# Allegro board mini_trx_layout.brd (continued)
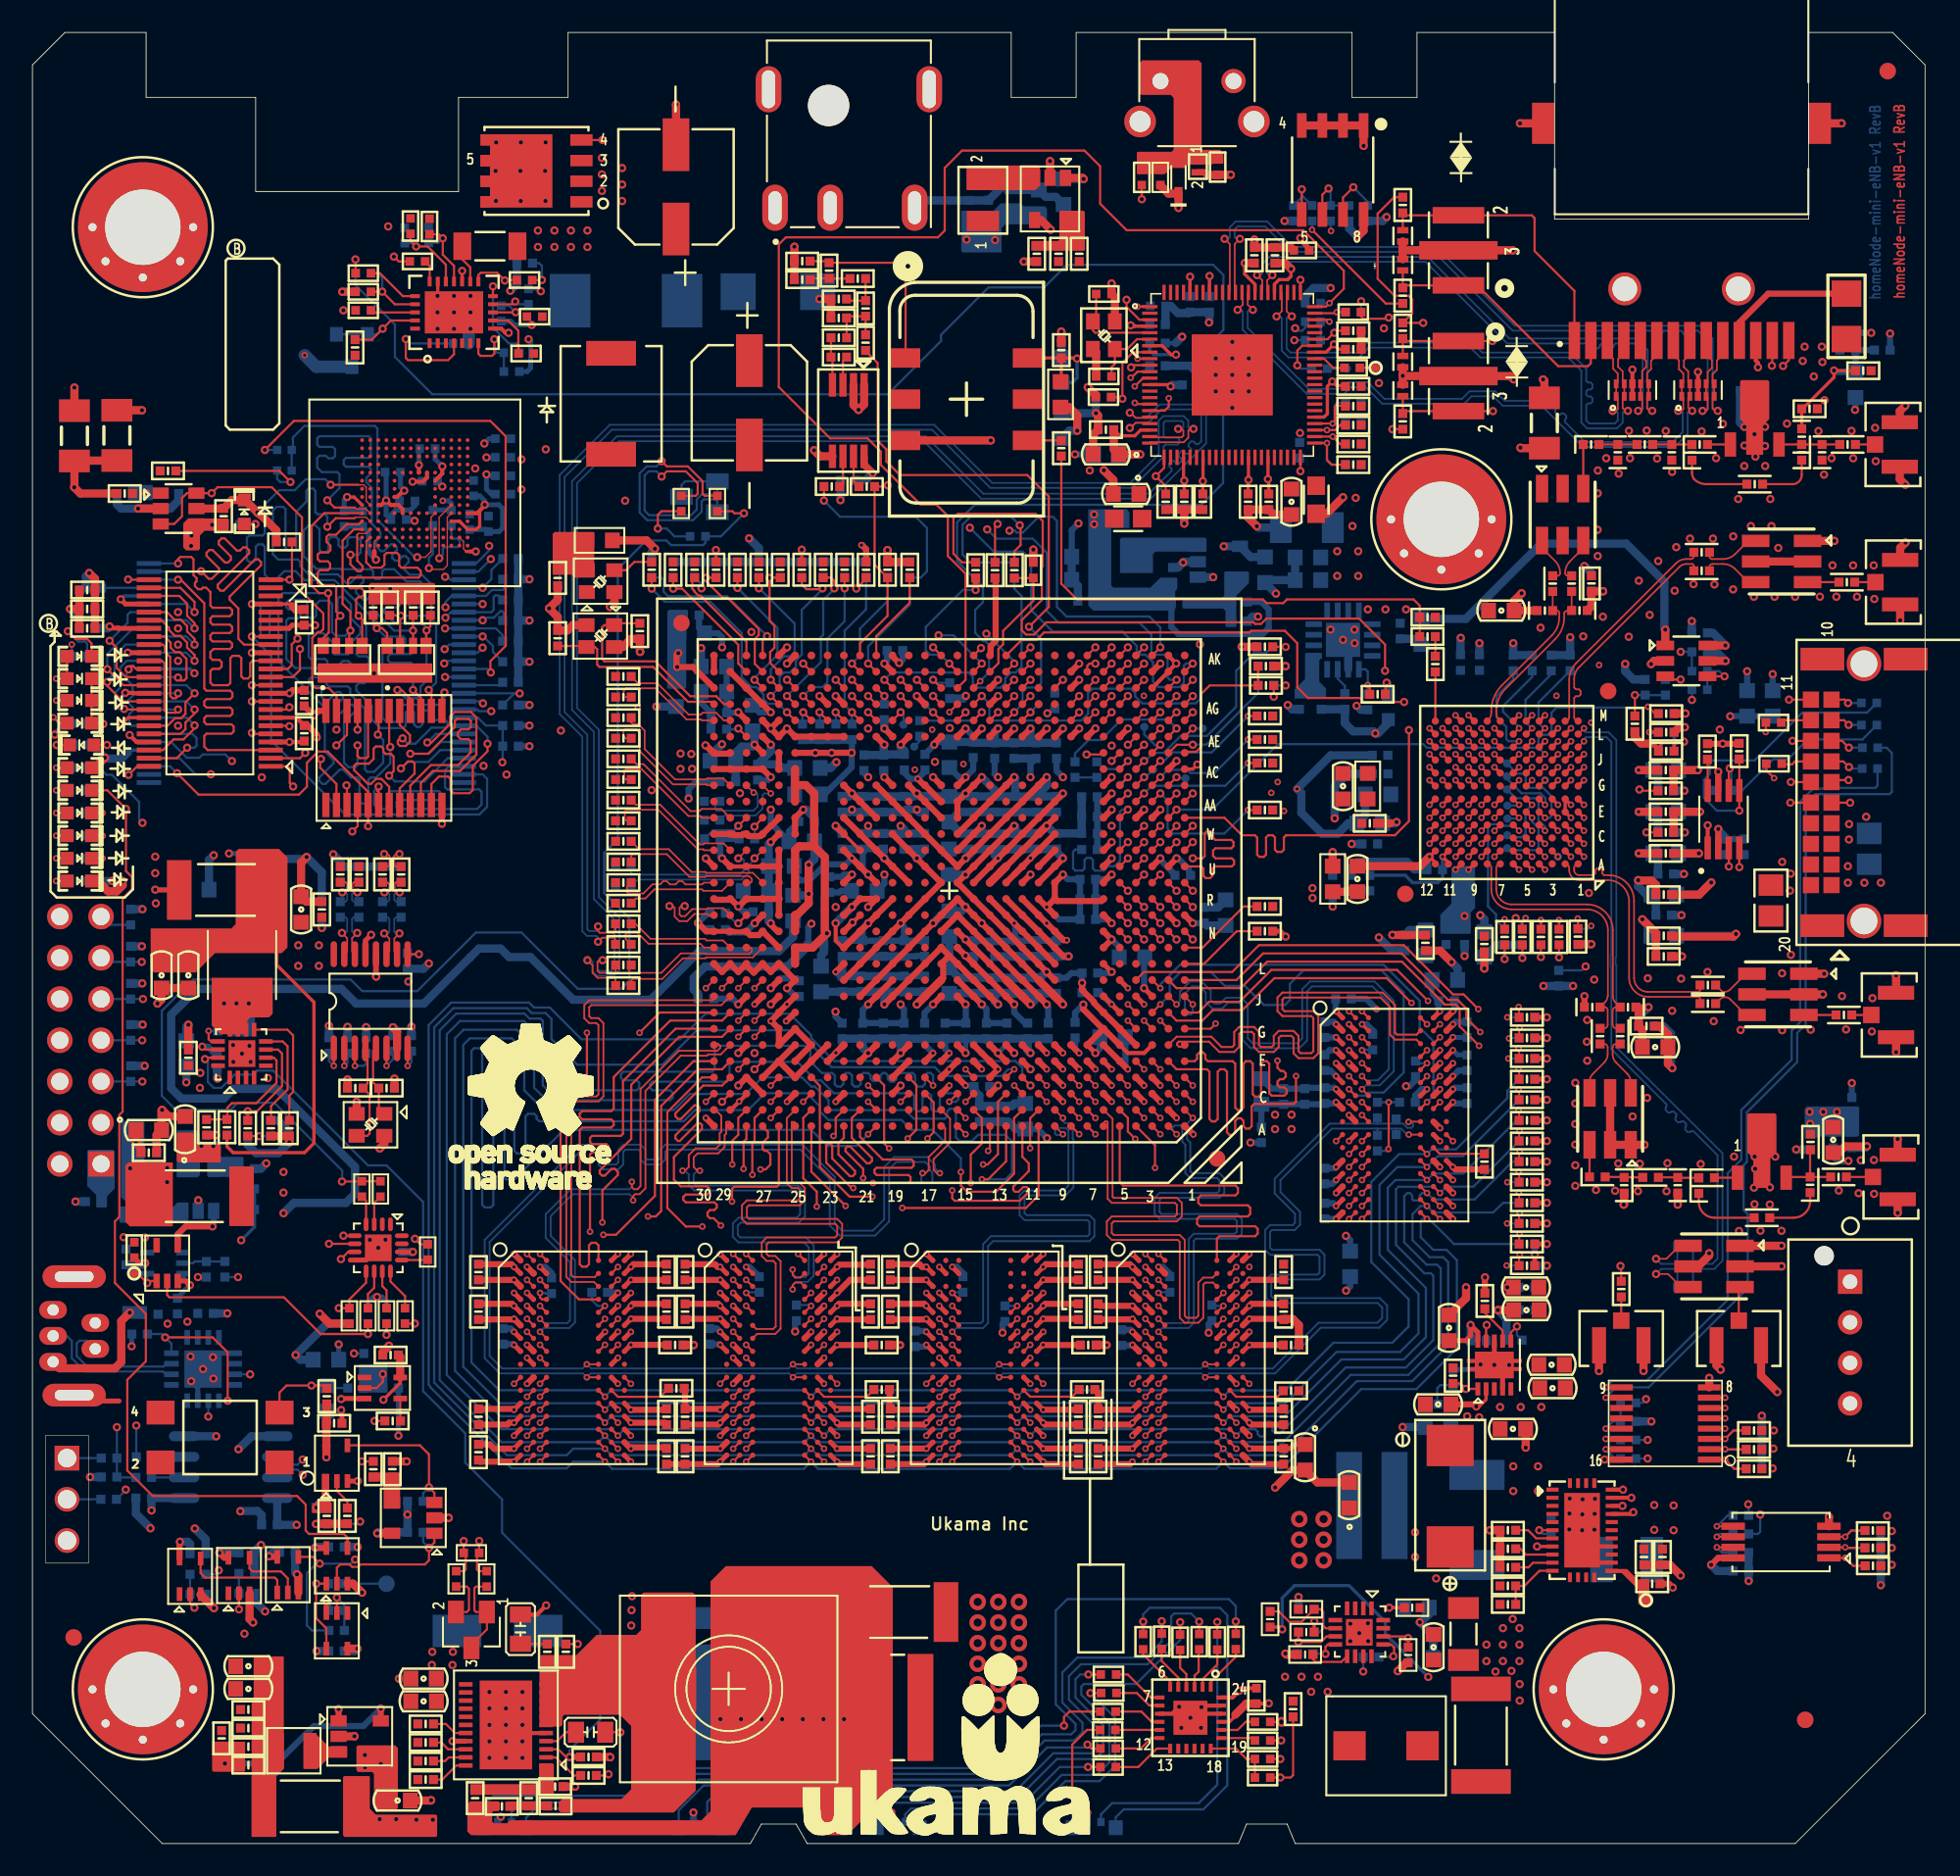
[diagram p0: board, top side]
## Copper pours and planes (outline as drawn; the poured copper is in the pictures) (continued)
1V5 on BOTTOM: 15.15,41.75 15.15,38.3 16.08,38.3 16.08,41.75
1V8 on TOP (solid shape): 20.79,4.11 20.79,2.15 21.15,1.79 24.85,1.79 24.94,1.7 24.94,0.48 24.86,0.41 19.23,0.41 19.13,0.5 19.13,4.09 19.21,4.16 20.74,4.16
1V8 on TOP: 76.09,69.88 82.44,69.88 83.2,69.12 83.2,65.69 82.92,65.41 77.63,65.41 77.49,65.26 77.49,63.46 77.41,63.39 76.13,63.39 76.09,63.43 76.09,66.28 76.04,66.33 76.04,66.79 76.2,66.96 76.88,66.96 77.08,67.16 77.08,68.97 76.93,69.12 76.12,69.12 76.04,69.19 76.04,69.83
1V8 on L5-PWR2: 65.88,67.29 76.58,67.29 77.59,66.28 77.59,66.24 79.05,64.78 79.05,53.71 80.64,52.12 93.09,52.12 93.79,51.42 93.79,28.78 86.66,21.64 75.15,21.64 72.87,19.36 72.87,6.9 69.09,3.12 52.53,3.12 51.31,1.91 47.83,1.91 47.64,2.22 44.32,2.22 44.15,1.91 26.33,1.91 26,1.58 26,1 17.88,1 17.88,5.59 18.15,5.87 61.15,5.87 64.59,9.31 64.59,20.04 69.08,24.54 85.82,24.54 87.22,25.94 87.22,46.36 87.09,46.49 65.89,46.49 65.2,47.18 65.2,66.6
1V15 on BOTTOM (solid shape): 67.58,82.05 67.58,81.07 66.47,81.07 66.47,77.52 66.59,77.4 68.88,77.4 69.49,78.01 70.48,78.01 70.53,77.96 70.53,77.3 70.4,77.17 70.4,75.97 65.35,75.97 65.04,76.28 65.04,82.22 67.41,82.22
1V15 on TOP: 67.27,82.13 67.15,82.25 65.15,82.25 65.07,82.18 65.07,80.09 65.24,79.92 66.97,79.92 67.27,80.21 67.27,80.81
1V35 on TOP: 9.77,56.96 6.83,56.96 6.51,57.29 6.51,61.02 6.8,61.31 9.99,61.31 10.13,61.17 10.13,57.32
1V35 on TOP: 86.92,27.56 86.92,26.56 87.3,26.18 88.57,26.18 88.81,25.94 89.59,25.94 89.67,26.02 89.67,26.86 89.32,27.21 89.05,27.21 88.71,27.54 86.94,27.54
1V35 on BOTTOM: 7.27,60.96 7.27,56.82 7.51,56.58 13.9,56.58 14.13,56.81 14.13,61.48 14.06,61.54 12.05,61.54 11.88,61.37 11.88,58.14 11.78,58.04 9.95,58.04 9.81,58.19 9.81,60.99 9.42,61.37 7.68,61.37
1V35 on BOTTOM: 74.6,43.35 74.6,42.6 74.62,42.57 77.56,42.57 77.95,42.96 77.95,44.73 77.64,45.04 76.49,45.04 76.28,44.82 76.28,43.68 76.09,43.5 74.76,43.5
1V35 on BOTTOM: 89.48,27.51 89.51,27.48 89.51,24.87 89.2,24.56 87.01,24.56 86.82,24.75 86.82,26.09 87.2,26.47 87.2,27.45 87.26,27.51
1V35 on L4-PWR1: 23.81,26.4 23.81,29.06 18.28,29.06 18.28,32.08 23.95,32.08 23.95,56.52 6.32,56.52 6.32,63.48 77.69,63.48 77.69,52.66 91.47,52.66 92.11,52.02 92.11,36.31 91.04,35.25 88.62,35.25 87.99,34.61 87.99,27.92 88.21,27.7 89.91,27.7 90.36,27.25 90.36,22.6 89.3,21.54 28.67,21.54
3V3 on TOP (solid shape): 9.94,43.72 9.94,43.25 10.08,43.11 11.5,43.11 11.61,43.01 11.61,42.02 11.55,41.96 9,41.96 8.89,42.08 8.89,43.73 8.98,43.82 9.84,43.82
3V3 on TOP (solid shape): 22.35,6.05 22.51,5.88 22.51,3.07 22.51,3.07 22.51,2.19 22.43,2.11 21.15,2.11 21.04,2.22 21.04,4.3 20.93,4.41 20.06,4.41 19.96,4.51 19.96,5.96 20.05,6.05 20.77,6.05
3V3 on BOTTOM (solid shape): 10.32,43.73 10.32,43.33 10.4,43.25 11.46,43.25 11.51,43.21 11.51,42.78 11.44,42.72 10.45,42.72 10.32,42.59 10.32,41.2 10.17,41.05 8.92,41.05 8.89,41.09 8.89,43.9 8.94,43.95 10.1,43.95
3V3 on TOP: 75,8.94 75.75,8.94 75.93,9.12 75.93,10.42 76.3,10.79 79.83,10.79 80.17,10.46 80.18,10.46 80.18,8.93 79.92,8.68 78.33,8.68 78.02,8.36 77.17,8.36 76.97,8.16 75,8.16 74.95,8.21 74.95,8.89
3V3 on TOP: 82.11,59.12 77.43,59.12 77.15,58.84 77.15,57.06 77.4,56.81 79.45,56.81 79.53,56.89 79.53,58.03 79.7,58.19 82.11,58.19 82.17,58.25 82.17,59.06
3V3 on TOP: 39.06,78.57 50.41,78.57 50.56,78.72 50.56,80.72 50.34,80.95 43.88,80.95 42.92,79.99 39.24,79.99 38.98,79.73 38.98,78.64
3V3 on TOP: 87.34,10.28 87.34,8.19 87.63,7.9 91.73,7.9 92.02,8.19 92.02,13.78 91.6,14.2 89.53,14.2 89.34,14.01 89.34,10.58 89.11,10.36 87.41,10.36
3V3 on TOP: 81.5,89.28 82.7,89.28 82.8,89.18 82.8,82.55 81.32,81.08 78.78,81.08 78.48,81.38 78.48,82.5 78.61,82.63 79.85,82.63 81.5,84.28
3V3 on TOP: 17.54,52.15 16.03,53.66 16.02,53.66 16.02,57.26 16.15,57.39 18.15,57.39 18.33,57.2 18.33,56.01 18.74,55.6 18.74,53.87 18.93,53.67 23.45,53.67 23.45,52.15
3V3 on TOP: 106.22,25.96 108.07,25.96 108.15,25.89 108.15,22.86 109.32,21.69 113.99,21.69 114.85,20.83 114.85,16.67 114.65,16.46 113.56,16.46 113.43,16.59 113.43,20.32 112.92,20.83 108.12,20.83 106.14,22.81 106.14,25.89
3V3 on TOP: 110.49,91.31 110.49,90.04 108.84,90.04 108.84,93.34 109.09,93.6 112.78,93.6 112.78,91.31
3V3 on TOP, BOTTOM: 5.35,37.7 7.79,37.7 7.99,37.49 7.99,36.22 7.97,36.2 6.62,36.2 6.62,36.45 6.19,36.45 6.14,36.4 6.14,36.3 5.33,36.3 5.2,36.43 5.2,37.54
3V3 on BOTTOM: 8.17,65.59 3.27,65.59 2.84,65.15 2.84,60.48 2.93,60.38 5.43,60.38 5.96,59.85 5.96,59.09 5.64,58.78 1.29,58.78 0.76,58.25 0.76,56.16 0.86,56.06 2.71,56.06 3.12,56.47 3.12,57.69 3.6,58.17 6.8,58.17 7.03,58.4 7.03,59.06 7.03,61.11 8.45,62.53 8.45,65.31
3V3 on BOTTOM: 81.16,10.83 76.03,10.83 75.56,10.36 75.56,8.39 75.87,8.08 79.97,8.08 79.98,8.1 80.49,7.59 80.49,4.8 81.19,4.1 90.77,4.1 92.01,5.34 92.01,13.67 91.21,14.48 87.46,14.48 87.11,14.13 87.11,9.72 86.8,9.41 82.58,9.41
3V3 on BOTTOM: 105.79,90.05 105.79,89.13 105.96,88.96 109.3,88.96 110.76,90.42 110.76,92.53 110.58,92.72 108.84,92.72 108.61,92.49 108.61,90.57 108.13,90.09 105.83,90.09
3V3 on L4-PWR1: 8.42,1.02 6.09,3.35 12.1,12.71 1.02,11.72 1.02,100.78 26.79,100.78 27.27,101.26 27.27,106.58 34.02,106.58 34.02,110.58 59.28,110.58 59.28,106.58 65.32,106.58 65.32,110.58 80.28,110.58 80.28,106.58 86.32,106.58 86.32,110.58 92.66,110.58 92.66,99.03 110.44,99.03 110.44,110.58 114.18,110.58 115.58,109.18 115.58,8.42 108.18,1.02 78.48,1.02 77.98,2.22 74.12,2.22 73.62,1.02 48.36,1.02 47.64,2.22 44.32,2.22 43.61,1.02 ; 3 cut-outs
5V on TOP: 105.87,70.07 102.71,70.07 102.71,67.69 102.97,67.44 106.41,67.44 106.41,69.53
5V on TOP: 11.68,48.14 10.19,48.14 9.97,48.35 8.86,48.35 8.65,48.14 8.65,46.23 8.78,46.1 12.64,46.1 12.76,46.22 12.76,47.6 11.86,47.6 11.83,47.63 11.83,47.99
5V on TOP: 82.7,21.17 77.82,21.17 77.01,20.37 77.01,16.71 77.79,15.93 81.3,15.93 81.79,15.43 81.79,14.07 81.86,14 82.66,14 82.77,13.89 82.77,13.15 82.85,13.07 84.6,13.07 84.84,13.31 84.84,16.32 83.5,17.66 83.5,20.38
5V on TOP: 110.15,58.3 110.15,60.71 109.95,60.91 106.22,60.91 106.04,60.73 106.04,58.39 106.22,58.2 110.05,58.2
5V on TOP: 27.2,7.12 26.41,7.12 25.32,8.21 24.45,8.21 24.35,8.31 24.35,12.1 24.47,12.21 26.23,12.21 26.29,12.15 26.29,11.15 26.79,10.65 27.07,10.65 27.25,10.47 27.25,7.17
5V on BOTTOM: 27.91,13.97 27.91,11.05 27.49,10.63 27.49,6 26.99,5.5 24.74,5.5 24.35,5.89 24.35,13.88 24.37,13.88 24.77,14.28 27.6,14.28
5V on BOTTOM: 77.36,16.88 77.36,22.57 79.06,24.26 81.83,24.26 82.04,24.06 82.04,16.94 81.71,16.61 77.64,16.61
5V on L4-PWR1: 28.5,2.15 28.5,1.21 28.7,1.02 43.1,1.02 44.32,2.24 47.62,2.24 48.84,1.02 66.01,1.02 66.32,1.32 66.32,3.66 65.68,4.29 39.09,4.29 37.16,2.36 28.72,2.36
5V on L4-PWR1: 75.42,18.14 35.17,18.14 28.09,11.06 28.09,5.57 27.67,5.16 23.18,5.16 22.75,5.59 22.75,12.14 22.78,12.17 22.22,12.73 13.79,12.73 13.38,13.14 13.38,15.34 13.71,15.68 17.19,15.68 18.18,16.67 18.18,20.85 17.7,21.34 12.13,21.34 10.74,22.74 10.74,34.75 7.75,37.74 7.75,47.1 7.91,47.26 9.57,47.26 9.8,47.04 9.8,40.14 13.13,36.81 13.13,24.62 14.55,23.19 19.3,23.19 20.42,22.08 20.42,16.74 21.41,15.75 27.76,15.75 33.15,21.14 79.9,21.14 80.34,20.71 80.34,17.21 79.89,16.76 76.8,16.76
5V on L5-PWR2: 19.02,70.72 4.39,70.72 3.22,69.55 3.22,38.64 3.52,38.33 13.38,38.33 14.14,39.09 14.14,64.7 17.45,68.01 19.04,69.6 19.04,70.69
5V on L5-PWR2: 108.71,68.99 108.64,31.63 108.64,23.07 107.79,22.23 100.12,22.23 89.58,11.69 89.58,4.52 87.57,2.52 74.42,2.52 73.18,1.28 52.87,1.28 52.64,1.5 52.64,2.49 52.89,2.74 69.3,2.74 74.39,7.83 74.39,19.08 76.27,20.96 86.62,20.96 94.3,28.64 94.3,51.43 94.95,52.07 101.77,52.07 103.52,53.83 103.52,70.41 104.49,71.38 108.55,71.38 108.71,71.22
5V_PG on TOP (solid shape): 98.88,16.28 99.59,16.28 99.61,16.26 99.61,15.24 99.69,15.17 99.69,14.76 99.64,14.71 99,14.71 98.93,14.79 98.93,15.65 97.91,16.67 96.92,16.67 96.92,16.92 98.24,16.92
AVDD_1V5 on L4-PWR1: 78.4,97.46 67.5,97.46 66.77,96.74 66.77,84.98 68.1,83.65 75.73,83.65 75.73,94.73 76.48,95.48 78.87,95.48 79.24,95.85 79.24,96.62
AVDD_3V3 on TOP: 75.86,82.86 79.47,82.86 79.75,83.14 79.75,84.26 79.65,84.36 78.63,84.36 78.25,83.98 77.11,83.98 76.68,84.41 75.96,84.41 75.79,84.23 75.79,82.93
AVDD_3V3 on L5-PWR2: 67.28,97.84 81.05,97.84 81.78,97.11 81.78,83.37 81.22,82.81 67,82.81 66.21,83.59 66.21,96.78
GND on TOP: 85.07,15.13 85.07,12.92 85.66,12.33 86.85,12.33 87.04,12.52 87.04,15.17 86.89,15.32 85.25,15.32
GND on TOP: 52.34,86.28 52.37,86.3 52.38,86.33 52.38,86.72 52.37,86.74 52.36,86.75 51.95,87.17 51.93,87.18 51.91,87.18 51.79,87.18 51.77,87.18 59.86,87.18 59.86,91.93 62.27,94.33 63.8,94.33 67.08,97.61 67.08,102.99 65.05,105.02 56.63,105.02 55.53,103.92 55.53,99.56 55.22,99.25 42.2,99.25 41.81,99.64 41.81,102.62 41.41,103.02 38.87,103.02 38.8,103.09 38.8,106.1 38.6,106.3 34.48,106.3 34.02,106.77 34.02,110.58 59.23,110.58 59.23,106.6 59.31,106.52 65.32,106.52 65.46,106.66 65.46,110.58 80.18,110.58 80.18,106.63 80.3,106.51 86.33,106.51 86.5,106.69 86.5,110.58 92.66,110.58 92.66,99.03 110.44,99.03 110.44,110.58 114.18,110.58 115.58,109.18 115.58,8.42 108.18,1.02 78.48,1.02 77.98,2.22 74.12,2.22 73.62,1.02 48.32,1.02 47.64,2.22 44.32,2.22 43.64,1.02 8.42,1.02 1.02,8.42 1.02,100.78 25.35,100.78 25.35,97.87 25.87,97.35 28.55,97.35 29.19,96.71 30.38,96.71 30.38,96.46 31.02,95.82 31.02,94.49 30.78,94.25 30.78,93.9 30.9,93.79 30.9,93.79 32.03,92.66 32.03,88.36 32.6,87.79 46.2,87.79 46.81,87.18 50.07,87.18 50.07,87.16 50.05,87.18 50.03,87.18 49.12,87.18 49.09,87.17 49.08,87.15 49.08,87.12 49.1,87.1 49.74,86.45 49.76,86.44 49.78,86.43 50.46,86.43 50.48,86.45 50.49,86.46 50.49,86.49 50.48,86.52 50.16,86.84 51.63,86.84 51.3,86.51 51.29,86.48 51.3,86.46 51.32,86.44 51.35,86.43 52.13,86.43 52.14,86.43 52.16,86.42 52.3,86.28 52.33,86.27 ; 92 cut-outs
GND on TOP: 81.7,14.08 81.7,15.27 81.27,15.7 77.57,15.7 77.42,15.54 77.42,14.27 77.62,14.06 78.31,14.06 78.47,14.22 78.47,14.94 78.53,15 79.64,15 79.78,14.87 79.78,13.67 79.88,13.57 80.69,13.57 80.76,13.64 80.76,13.93 80.86,14.03 81.65,14.03
GND on BOTTOM: 28.87,14.86 28.87,11.33 27.8,10.27 27.8,5.1 28,4.91 31.23,4.91 32.89,6.56 32.89,14.52 32.19,15.22 29.23,15.22
GND on BOTTOM: 47.36,102.46 55.11,102.46 55.69,101.88 55.69,93.81 54.44,92.56 47.89,92.56 47.19,93.26 47.19,102.3
GND on BOTTOM: 82.71,67.44 77.27,67.44 75.35,65.52 75.35,63.5 73.69,61.85 72.4,61.85 71.83,61.28 71.83,57.46 71.92,57.37 78.05,57.37 78.49,57.81 78.49,61.23 79.11,61.86 80.66,61.86 81.12,62.32 82.07,62.32 82.23,62.48 82.23,63.07 82.45,63.28 82.45,64.03 82.53,64.12 82.61,64.12 82.89,64.4 82.89,67.27
GND on BOTTOM: 114.04,61.59 110.45,61.59 110.28,61.76 110.28,63.4 110.45,63.57 113.94,63.57 114.08,63.42 114.08,61.64
GND on BOTTOM: 29.04,86.73 29.04,83.32 29.25,83.11 31.85,83.11 32.16,83.43 32.16,86.51 31.89,86.78 29.1,86.78
GND on BOTTOM: 81.62,89.16 82.37,89.16 82.64,88.88 82.64,83.72 82.37,83.44 78.86,83.44 78.15,82.73 78.15,80.03 78.32,79.87 78.32,77.39 78.21,77.28 77.29,77.28 76.66,76.65 76.28,76.65 75.8,77.13 75.47,77.13 75.39,77.21 75.39,78.11 75.55,78.27 77.09,78.27 77.27,78.45 77.27,79.75 76.99,80.03 75.7,80.03 74.25,81.48 74.25,85.84 75.67,87.26 78.38,87.26 78.39,87.27 78.65,87.27 79.05,86.87 79.05,85.05 79.74,84.36 81.17,84.36 81.44,84.62 81.44,89.1 81.5,89.16 81.61,89.16
GND on BOTTOM: 95.25,21.49 95.25,16.1 97.38,16.1 97.38,21.49
GND on BOTTOM: 36.44,16 36.44,13.23 36.79,12.88 46.57,12.88 46.92,13.23 46.92,14.91 46.58,15.24 39.9,15.24 39.63,15.52 39.63,16.07 39.3,16.4 36.83,16.4
GND on BOTTOM: 85.22,55.28 86.14,55.28 86.65,55.79 87.35,55.79 87.49,55.65 87.49,54.72 88.79,53.42 88.79,50.45 88.58,50.24 87.36,50.24 87.21,50.4 87.21,53.78 86.82,54.17 85.28,54.17 85.19,54.25 85.19,55.26
GND on BOTTOM: 40.8,65.95 39.52,65.95 39.25,66.22 39.25,67.69 40.57,69.02 40.57,71.44 40.69,71.55 41.65,71.55 41.74,71.46 41.74,70.35 42.18,69.92 42.18,68.4 41.85,68.07 41.29,68.07 40.98,67.76 40.98,66.13
GND on BOTTOM: 28.35,81.49 26.58,81.49 26.37,81.7 26.37,82.67 25.92,83.12 25.92,84.85 26.06,84.99 27.44,84.99 27.57,84.87 27.57,83.73 27.52,83.68 26.76,83.68 26.66,83.58 26.66,82.51 26.78,82.39 27.26,82.39 27.59,82.06 28.36,82.06 28.38,82.04 28.38,81.52
GND on BOTTOM: 84.08,74.54 88.27,74.54 88.36,74.46 88.36,73.05 88.2,72.89 85.49,72.89 84.99,73.39 84.08,73.39 84.07,73.38 83.96,73.49 83.96,74.41
GND on L2-GND1: 8.42,1.02 1.02,8.42 1.02,91.89 1.02,91.88 1.02,95.32 1.02,95.31 1.02,100.07 1.02,100.07 1.02,100.78 26.79,100.78 27.27,101.26 27.27,106.58 34.02,106.58 34.02,110.58 59.28,110.58 59.28,106.58 65.32,106.58 65.32,110.58 80.28,110.58 80.28,106.58 86.32,106.58 86.32,110.58 92.66,110.58 92.66,99.03 110.44,99.03 110.44,110.58 114.18,110.58 115.58,109.18 115.58,8.42 108.18,1.02 78.48,1.02 77.98,2.22 74.12,2.22 73.62,1.02 48.34,1.02 47.64,2.22 44.32,2.22 43.61,0.99 ; 1 cut-out
GND on L7-GND2: 8.42,1.02 1.02,8.42 1.02,91.89 1.02,91.88 1.02,95.32 1.02,95.31 1.02,100.07 1.02,100.07 1.02,100.78 26.79,100.78 27.27,101.26 27.27,106.58 34.02,106.58 34.02,110.58 59.28,110.58 59.28,106.58 65.32,106.58 65.32,110.58 80.28,110.58 80.28,106.58 86.32,106.58 86.32,110.58 92.66,110.58 92.66,99.03 110.44,99.03 110.44,110.58 114.18,110.58 115.58,109.18 115.58,8.42 108.18,1.02 78.48,1.02 77.98,2.22 74.12,2.22 73.62,1.02 48.36,1.02 47.64,2.22 44.32,2.22 43.79,1.32 43.61,1.02 ; 1 cut-out
VDD_CORE on TOP: 67.66,80.93 69.03,80.93 69.21,81.11 69.21,82.5 69.51,82.81 70.12,82.81 70.25,82.93 70.25,84.31 70.02,84.53 67.81,84.53 67.66,84.38
VDD_CORE on L4-PWR1: 84.37,95.1 76.63,95.1 76.27,94.74 76.27,84.46 76.78,83.95 80.65,83.95 80.97,84.27 80.97,90.78 81.76,91.57 84.42,91.57 84.96,92.1 84.96,94.52
VDD_CORE on L6-SIGNAL: 66.27,90.94 66.27,84.04 66.79,83.52 78.96,83.52 79.11,83.67 79.11,86.52 79.01,86.62 69.91,86.62 69.91,86.62 69.62,86.9 69.62,90.96 69.37,91.21 66.54,91.21
VDD_GPO on TOP: 79.79,57.82 79.79,56.85 80.03,56.6 85.32,56.6 85.76,57.04 87.92,57.04 88.31,56.66 88.31,55.82 88.52,55.6 89.73,55.6 89.8,55.67 89.8,57.71 89.56,57.94 85.94,57.94 85.14,57.15 81.41,57.15 80.64,57.91 79.88,57.91
VDD_GPO on BOTTOM: 79.41,58.98 80.52,58.98 80.59,58.91 80.59,57.41 80.5,57.32 79.45,57.32 79.33,57.44 79.33,58.9
VDDA_1V3_BB on L4-PWR1: 93.69,67.69 93.01,67.69 92.81,67.9 92.81,69.45 92.91,69.55 98.09,69.55 100.59,67.05 100.59,63.22 100.44,63.07 98.7,63.07 98.52,63.25 98.52,66.63 97.35,67.8 93.8,67.8
VDDA_1V3_RX_LO on L3-SIGNAL: 96.27,64.34 93.7,64.34 93.62,64.26 93.62,58.95 93.92,58.65 99.46,58.65 99.65,58.84 99.65,59.63 99.47,59.81 97.08,59.81 96.67,60.21 96.67,63.95
VDDA_1V3_RX_SYNTH on L4-PWR1: 93.49,67.31 93.49,65.61 93.85,65.26 96.56,65.26 97.15,64.67 97.15,61.04 97.73,60.46 99.21,60.46 99.36,60.61 99.36,61.4 99.21,61.55 98.44,61.55 98.14,61.85 98.14,66.48 97.2,67.41 93.59,67.41
VDDA_1V3_RX_TX on L4-PWR1: 92.48,64.87 96.41,64.87 96.77,64.52 96.77,60.89 97.58,60.07 100.2,60.07 101.29,58.98 101.29,57.38 100.55,56.65 92.63,56.65 92.07,57.2 92.07,64.46
VDDA_1V3_TX_LO on L5-PWR2: 89.4,61.17 89.58,60.99 89.58,55.46 89.39,55.27 84.07,55.27 83.52,55.82 83.52,61.11 83.59,61.17 87.27,61.17
VDDA_1V3_TX_SYNTH on L3-SIGNAL: 93.76,68.44 98.65,68.44 99.5,67.58 99.5,66.12 99.28,65.9 98.72,65.9 98.6,66.02 98.6,67.23 98.36,67.48 93.68,67.48 93.67,67.46 93.67,68.35
VDDD_1V3_DIG on BOTTOM: 82.57,63.53 82.57,61.29 82.85,61.01 84.8,61.01 85.44,61.65 85.44,63.3 85.79,63.66 86.43,63.66 86.48,63.71 86.48,64.14 86.38,64.24 85.54,64.24 84.88,63.58 82.62,63.58
1P5 on BOTTOM (solid shape): 61.06,100.89 62.35,100.89 62.5,100.74 62.5,99.95 62.33,99.77 59.94,99.77 59.71,99.55 59.71,98.05 57.29,98.05 57.22,98.12 57.22,100.62 59.21,100.62 59.66,101.07 60.88,101.07
1P5 on TOP: 57.22,100.69 57.22,95.69 57.6,95.3 64.15,95.3 65.04,96.19 65.04,97.56 64.83,97.78 62.9,97.78 62.86,97.74 62.86,97.03 62.66,96.83 60.27,96.83 59.66,97.44 59.66,100.61 59.51,100.77 57.3,100.77
1P5 on BOTTOM: 65.89,86.15 64.25,86.15 63.91,85.82 63.91,84.35 64.11,84.15 65.58,84.15 65.63,84.2 65.63,84.77 65.91,85.04 65.91,86.14
1P5 on L5-PWR2: 56.64,99.57 63.57,99.57 65.57,97.57 65.57,83.78 65.41,83.62 62.49,83.62 62.1,84.02 62.1,95.61 60.7,97.01 56.69,97.01 56.1,97.59 56.1,99.04
7130_EJTAG_TRST_L on BOTTOM (solid shape): 5.07,42.67 5.07,40.36 4.59,39.88 4.59,39.25 4.54,39.2 3.96,39.2 3.93,39.22 3.93,39.96 3.37,40.52 3.37,42.68 3.45,42.75 4.98,42.75
7130_SYS_PLL_VDD33 on BOTTOM (solid shape): 40.38,75.97 40.38,75.19 40.28,75.09 40.28,71.22 40.23,71.17 39.13,71.17 39.11,71.2 39.11,75.92 39.21,76.03 40.33,76.03
7130_VDD on TOP: 54.07,4.27 62.81,4.27 63.29,4.75 63.29,18.22 62.45,19.05 54.52,19.05 53.77,18.3 53.77,4.58
7130_VDD on L5-PWR2: 63.75,74.32 31.69,74.32 28.39,71.02 21.3,71.02 15.11,64.82 15.11,19.05 14.93,18.88 14.93,11.97 20.5,6.39 20.64,6.53 60.76,6.53 63.75,9.51 63.75,17 59.53,21.21 29.74,21.21 29.74,21.26 28.67,22.33 28.67,38.28 29.46,39.07 61.28,39.07 64.36,42.14 64.36,73.74 64.33,73.74
7130_VREFCA on L5-PWR2: 29.31,31.55 79.52,31.55 79.52,46.21 86.89,46.21 86.89,25.96 29.31,25.96 29.15,26.11 29.15,31.4
7130_VTT on TOP: 90.07,24.64 89.92,24.79 89.92,28.46 91.73,28.46 92.27,29.01 92.27,31.93 92.22,31.93 92.09,32.06 92.09,34.6 92.17,34.67 93.44,34.67 93.85,35.08 93.85,35.84 93.47,36.22 93.01,36.22 92.81,36.02 92.4,36.02 92.22,36.2 92.22,51.29 92.27,51.34 94.41,51.34 94.58,51.16 94.58,31.93 94.54,31.93 94.54,30.86 93.42,29.73 93.42,26.72 93.06,26.36 91.46,26.36 91.21,26.11 91.21,24.74 91.11,24.64
7130_VTT on BOTTOM: 92.27,51.34 94.41,51.34 94.94,50.8 94.94,25.58 94.38,25.02 90.05,25.02 89.87,25.21 89.87,27.51 90.14,27.78 91.63,27.78 92.22,28.37 92.22,31.93 92.09,32.06 92.09,34.6 92.17,34.67 93.44,34.67 93.85,35.08 93.85,35.84 93.47,36.22 93.01,36.22 92.81,36.02 92.4,36.02 92.22,36.2 92.22,51.29
AD936X_1V3 on BOTTOM: 79.39,73.64 77.39,73.64 77.16,73.87 77.16,76.48 77.69,77.02 78.56,77.02 78.73,77.19 78.73,82.27 79.04,82.58 81.76,82.58 81.98,82.35 81.98,77.78 80.61,76.41 80.61,75.52 80.58,75.48 79.57,75.48 79.44,75.35 79.44,73.68
AD936X_1V3 on L5-PWR2: 81.69,81.43 77.62,81.43 76.7,80.51 76.7,68.51 79.85,65.36 79.85,54.07 80.97,52.96 101.13,52.96 102.48,54.31 102.48,73.97 101.55,74.9 82.85,74.9 81.98,75.76 81.98,81.14
AD936X_1V8 on BOTTOM: 90.8,74.55 90.8,73.16 91,72.95 92.7,72.95 92.96,73.21 92.96,74.45 93.26,74.76 97.02,74.76 97.43,74.35 97.43,72.06 98.09,71.4 99.61,71.4 99.69,71.48 99.69,75.31 98.62,76.38 92.63,76.38
AD936X_1V8 on BOTTOM: 83.23,67.41 84.47,67.41 85.26,66.63 86.23,66.63 86.4,66.45 86.4,64.7 86.28,64.57 84.96,64.57 84.52,64.14 83.23,64.14 83.18,64.19 83.18,67.36
AD936X_1V8 on L5-PWR2: 90.72,74.78 92.6,74.78 92.78,74.6 92.78,72.47 90.62,70.31 90.62,65.48 90.01,64.87 85.62,64.87 84.3,66.2 84.3,70.11 85.87,71.68 89.38,71.68 90.44,72.75 90.44,74.5
AD936X_1V8 on L6-SIGNAL: 97.73,72.99 97.49,72.74 97.49,69.47 97.73,69.22 99.53,69.22 100.13,68.63 100.13,56.92 97.43,54.22 93.84,54.22 92.84,53.22 92.84,52.48 93.01,52.3 94.4,52.3 95.53,51.17 100.19,51.17 106.35,57.33 106.35,69.38 105.75,69.98 102.03,69.98 101.65,70.36 101.65,72.83 101.5,72.99
CHASIS_GND on L3-SIGNAL: 81.63,75.39 80.03,76.99 80.03,84.86 86.23,91.06 86.23,93.86 83.97,96.12 83.97,98.71 84.04,98.78 84.04,100.31 82.42,101.93 66.24,101.93 58.64,94.34 58.64,93.96 57.19,92.51 12.31,92.51 4.03,84.23 1.02,84.23 1.02,104.49 2.34,105.81 9.93,105.81 11.37,104.36 11.37,101.18 11.76,100.78 26.79,100.78 27.37,101.36 27.37,105.49 28.47,106.58 34.02,106.58 34.02,110.58 59.22,110.58 59.22,106.52 65.46,106.52 65.46,110.54 80.14,110.54 80.14,106.49 86.52,106.49 86.52,110.56 92.66,110.56 92.66,99.03 110.44,99.03 110.44,110.56 114.11,110.56 115.58,109.1 115.58,94.31 115.39,94.12 96.46,94.12 94.67,92.34 94.67,76.32 93.74,75.39 ; 1 cut-out